# Altium PCB controller_V1.3.PcbDoc (part 4 of 6)
Units mil, origin at the board's own origin, x right, y up, seen from the top; angles counter-clockwise.
Board outline 9606 x 5905.51 mil, 2 copper layers (Top Layer, Bottom Layer); 441 components, 367 nets, 1496 pads, 5349 vias.
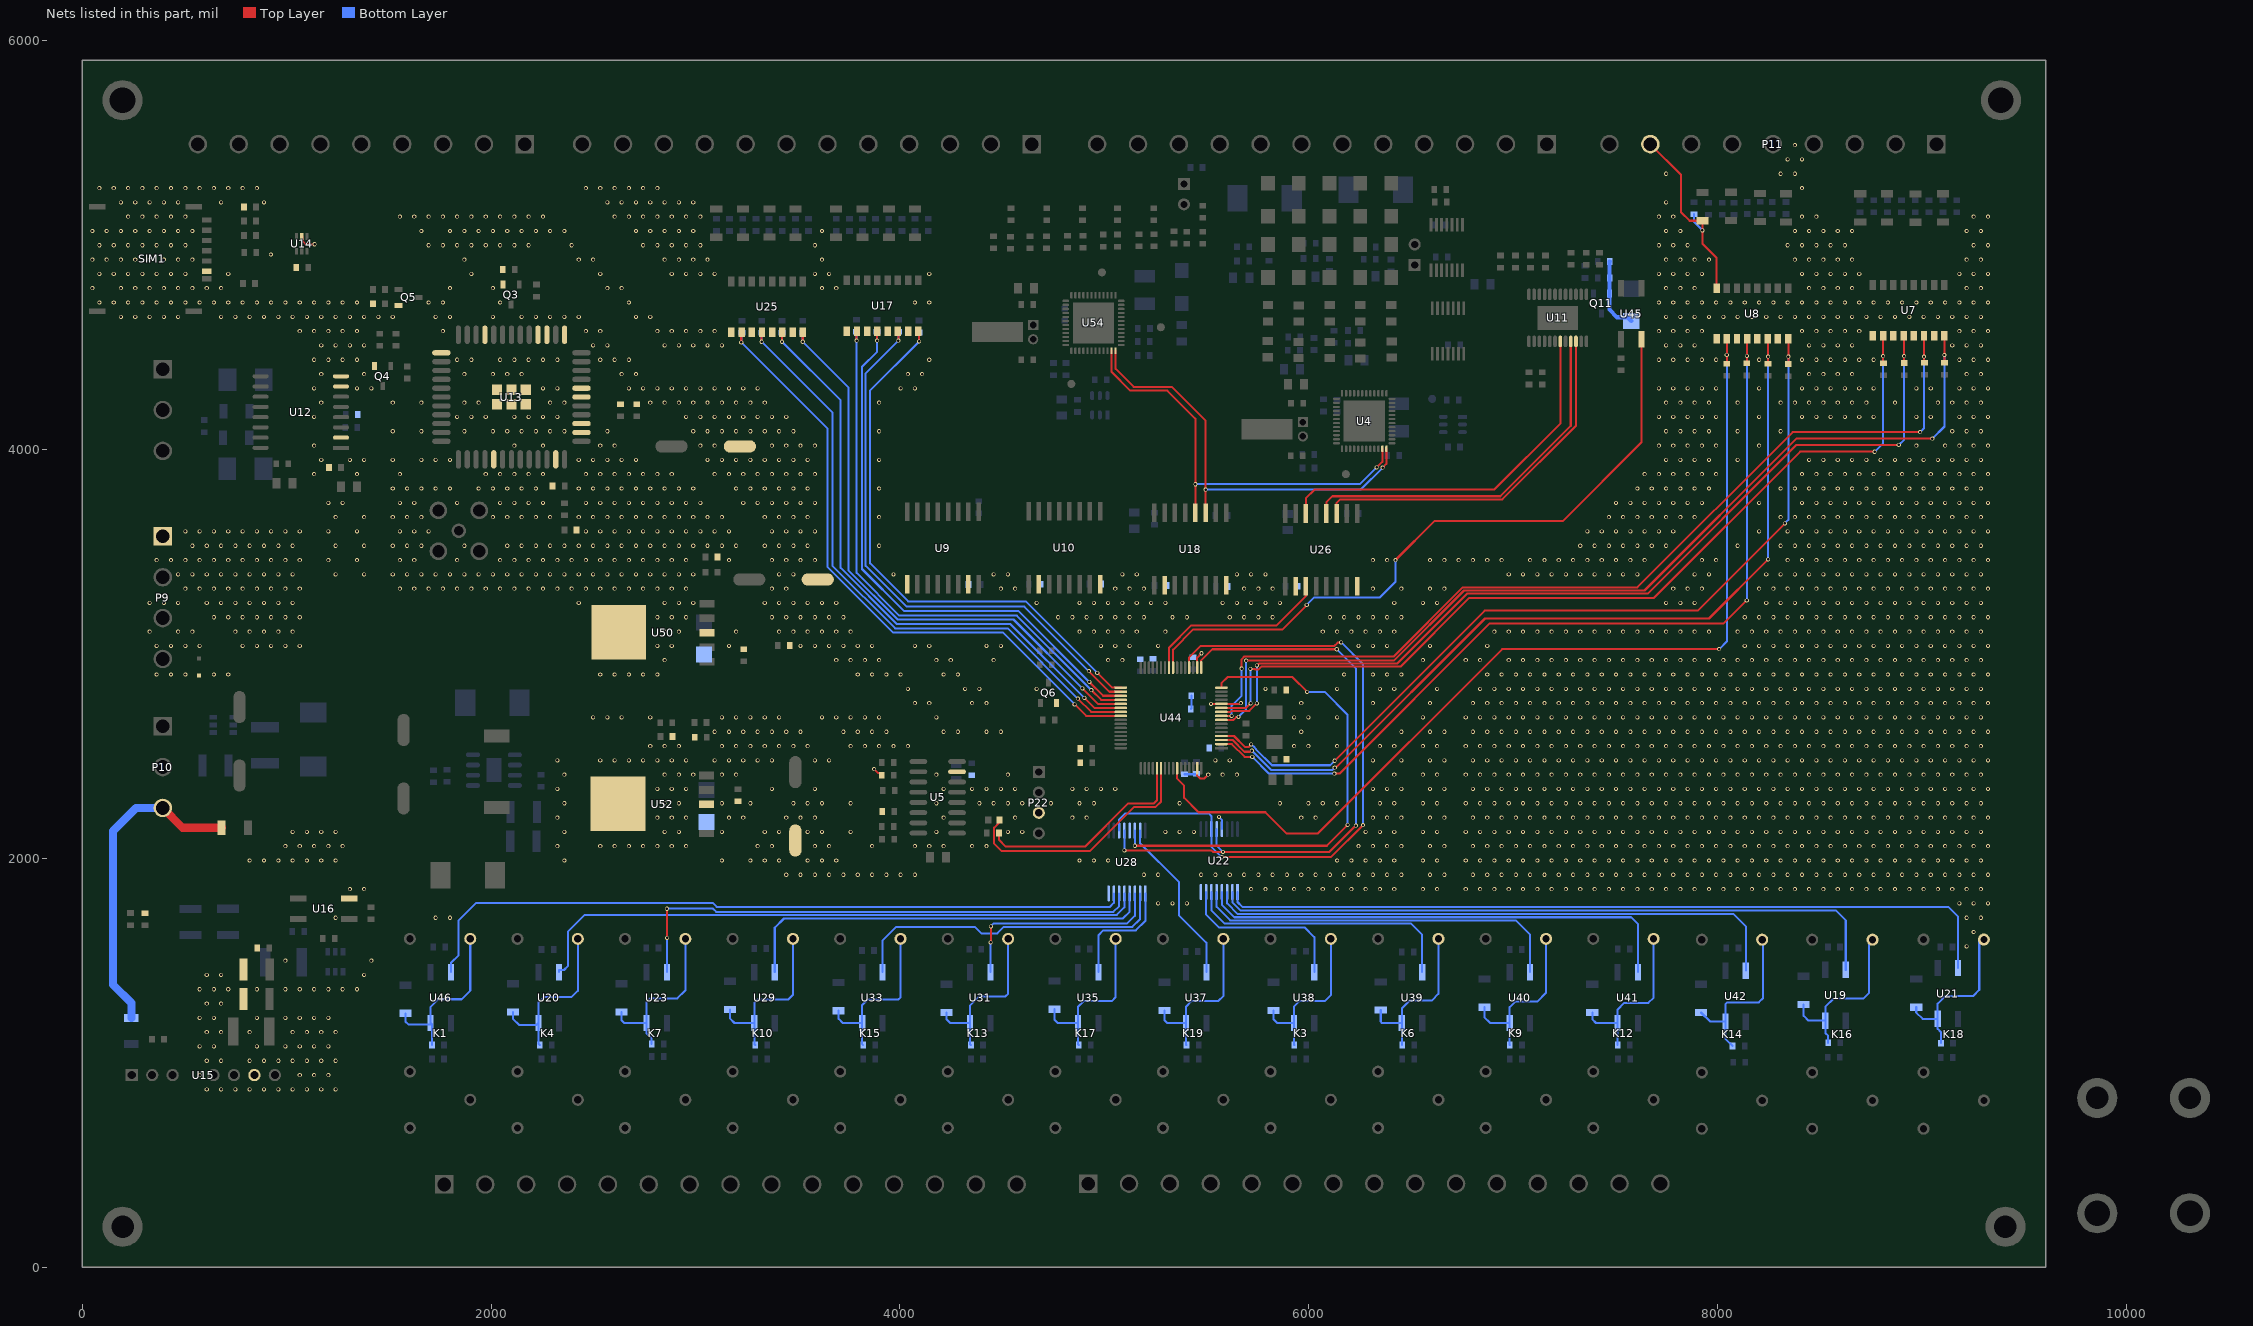
[diagram p4: the nets of this part, all layers, seen from the top]

## Via types
v1: diameter 20, hole 12, Top Layer to Bottom Layer, tented both sides, 5236 vias
v2: diameter 23.62, hole 11.81, Top Layer to Bottom Layer, 50 vias
v3: diameter 40, hole 25, Top Layer to Bottom Layer, tented both sides, 39 vias
v4: diameter 30, hole 20, Top Layer to Bottom Layer, tented both sides, 16 vias
v5: diameter 60, hole 40, Top Layer to Bottom Layer, tented both sides, 7 vias
v6: diameter 59.06, hole 39.37, Top Layer to Bottom Layer, 1 vias

## Nets (pads, with @x,y where several pads share a name; then routed paths per layer and width w, separated by ;. In a path a pad name is that pad's centre, name@x,y a point inside that pad or via, vN(x,y) a via of type N, cw(c..) or ccw(c..) an arc to the next point about the centre after c; other vN are vias at no path point) (continued)
DI_15: C26.2 D43.1 P11.8 U8.8 | length 972.4
  Top Layer w10: P11.8@7672,5494.02 7822,5344.02 7822,5161 7863.9,5119.1 D43.1@7927,5119.1 7927,5006 7996,4937 U8.8@7996,4789
  Bottom Layer w10: C26.2@7885.68,5151 7885.68,5113.18 v1(7927,5071.86)
DI_IN0: R82.2 U25.16 U44.37 | length 2904.2
  Top Layer w10: v1(3525,4527.18) U25.16@3525,4574.32 ; v1(4892.84,2831.16) 4968.46,2755.54 U44.37@5080.83,2755.54
  Bottom Layer w10: R82.2@3525,4570.73 v1(3525,4527.18) 3748,4304.17 3748,3410 3990,3168 4556,3168 v1(4892.84,2831.16)
DI_IN1: R87.2 U25.14 U44.38 | length 2970.6
  Top Layer w10: v1(3423.5,4527.18) U25.14@3423.5,4574.32 ; v1(4903,2785) 4952.15,2735.85 U44.38@5080.83,2735.85
  Bottom Layer w10: R87.2@3423.5,4570.73 v1(3423.5,4527.18) 3710,4240.68 3710,3420.28 3984.28,3146 4541,3146 4902,2785 v1(4903,2785)
DI_IN2: R93.2 U25.12 U44.39 | length 3036.5
  Top Layer w10: v1(3324.06,4527.18) U25.12@3324.06,4574.32 ; v1(4871,2781) 4935.83,2716.17 U44.39@5080.83,2716.17
  Bottom Layer w10: R93.2@3324.06,4570.73 v1(3324.06,4527.18) 3670,4181.24 3670,3432 3977,3125 4527,3125 v1(4871,2781)
DI_IN3: R97.2 U25.10 U44.40 | length 3112.7
  Top Layer w10: v1(3224,4524) U25.10@3224,4571.14 ; v1@4847.75,2752.83 v1(4854.82,2752.83) 4911.17,2696.48 U44.40@5080.83,2696.48
  Bottom Layer w10: R97.2@3227.18,4570.73 3224,4567.56 v1(3224,4524) 3645,4103 3645,3426 3966,3105 4502.65,3105 v1(4854.82,2752.83)
DI_IN4: R109.2 U17.16 U44.33 | length 2758
  Top Layer w10: U17.16@4090.5,4579.08 4094,4575.58 v1(4094,4528.44) ; v1(4966,2907) 5038.72,2834.28 U44.33@5080.83,2834.28
  Bottom Layer w10: R109.2@4094,4572 v1(4094,4528.44) 3855,4289.44 3855,3443 4041,3257 4616,3257 v1(4966,2907)
DI_IN5: R114.2 U17.14 U44.34 | length 2761.3
  Top Layer w10: v1(3993,4532.18) U17.14@3993,4579.32 ; v1(4924.62,2915.38) 5025.41,2814.59 U44.34@5080.83,2814.59
  Bottom Layer w10: R114.2@3993,4575.73 v1(3993,4532.18) 3833,4372.18 3833,3431 4033,3231 4609,3231 v1(4924.62,2915.38)
DI_IN6: R116.2 U17.12 U44.35 | length 2761.2
  Top Layer w10: v1(3888.94,4532.18) U17.12@3888.94,4579.32 ; v1(4927.54,2862.46) 4995.09,2794.91 U44.35@5080.83,2794.91
  Bottom Layer w10: R116.2@3888.94,4575.73 v1(3888.94,4532.18) 3888.94,4477.94 3815,4404 3815,3415 4021,3209 4581,3209 v1(4927.54,2862.46)
DI_IN7: R118.2 U17.10 U44.36 | length 2776.1
  Top Layer w10: v1(3788.47,4532.18) U17.10@3788.47,4579.32 ; v1(4937.48,2822.31) 4984.57,2775.22 U44.36@5080.83,2775.22
  Bottom Layer w10: R118.2@3788.47,4575.73 v1(3788.47,4532.18) 3788.47,3396.53 3998,3187 4572.79,3187 v1(4937.48,2822.31)
DI_IN8: R10.2 U7.16 U44.8 | length 4754.5
  Top Layer w10: U44.8@5572.95,2676.8 5614.92,2676.8 5615.24,2676.48 5631.8,2676.48 5645.41,2690.09 5655.09,2690.09 v1(5657,2692) ; v1(5694,2967) 5695,2968 6418.21,2968 6760.21,3310 7643.21,3310 8386.21,4053 v1(9051.72,4053) ; U7.16@9111,4557 v1(9111,4462.1) 9111,4426.06 R10.2@9112,4425.06
  Bottom Layer w10: v1(5657,2692) 5694,2729 v1(5694,2967) ; v1(9051.72,4053) 9111,4112.28 v1(9111,4462.1)
DI_IN9: R16.2 U7.14 U44.9 | length 4638.2
  Top Layer w10: U44.9@5572.95,2696.48 v1(5623.52,2696.48) ; v1(5672,2928) 5672,2973.28 5685.72,2987 6416,2987 6754,3325 7608,3325 8368,4085 v1(8991.89,4085) ; U7.14@9011,4557 v1(9011,4454.68) 9011,4427.06 R16.2@9013,4425.06
  Bottom Layer w10: v1(5623.52,2696.48) 5623.52,2746.24 5672,2794.72 v1(5672,2928) ; v1(8991.89,4085) 9011,4104.11 v1(9011,4454.68)
DI_IN10: R32.2 U7.12 U44.10 | length 4545.5
  Top Layer w10: U44.10@5572.95,2716.17 5618.33,2716.17 5623.01,2720.85 5709.85,2720.85 v1(5747,2758) ; v1(5747,2944) 5748.86,2944 5757.86,2953 6433,2953 6775,3295 7659,3295 8386,4022 v1(8887.53,4022) ; U7.12@8911,4557 8914,4554 v1(8914,4456.97) R32.2@8914,4423.06
  Bottom Layer w10: v1(5747,2758) v1(5747,2944) ; v1(8887.53,4022) 8914,4048.47 v1(8914,4456.97)
DI_IN11: R34.2 U7.10 U44.11 | length 4436.9
  Top Layer w10: U44.11@5572.95,2735.85 5693.85,2735.85 v1(5716,2758) ; v1(5715,2926) 5716,2925 5737.72,2925 5738.72,2924 5755.28,2924 5768.78,2937.5 6449.5,2937.5 6786,3274 7690,3274 8405,3989 v1(8769.03,3989) ; U7.10@8811,4557 v1(8811,4456.97) 8811,4423.06 R34.2@8812,4422.06
  Bottom Layer w10: v1(5716,2758) v1@5716,2926 ; v1(8769.03,3989) 8811,4030.97 v1(8811,4456.97)
DI_IN12: R36.2 U8.16 U44.4 | length 4264.3
  Top Layer w10: U44.4@5572.95,2598.06 5634.94,2598.06 5688,2545 5707,2545 v1(5719,2557) ; v1(6127,2477) 6861,3211 7904,3211 v1@8331.06,3638.06 ; U8.16@8346,4540.97 8347,4539.97 v1(8347,4454.67) R36.2@8347,4418
  Bottom Layer w10: v1(5719,2557) 5719.86,2557 5729.86,2547 5730.28,2547 5742,2535.28 5742,2534 5821,2455 6105,2455 v1(6127,2477) ; v1(8330.47,3638.66) 8347,3655.19 v1(8347,4454.67)
DI_IN13: R41.2 U8.14 U44.3 | length 4271.6
  Top Layer w10: U44.3@5572.95,2578.37 5628.63,2578.37 5686,2521 5713.29,2521 ; v1(6128,2443) 6130.71,2443 6135.71,2448 6138,2448 6863,3173 7959,3173 v1(8248,3462) ; U8.14@8246,4540.97 8248,4538.97 v1(8248,4454.67) R41.2@8248,4419
  Bottom Layer w10: v1(5722,2527) 5811,2438 5811,2437.86 5816.86,2432 6117,2432 v1(6128,2443) ; v1(8248,3462) v1(8248,4454.67)
DI_IN14: R43.2 U8.12 U44.2 | length 4299.3
  Top Layer w10: U44.2@5572.95,2558.69 5624.6,2558.69 5687.28,2496 v1(5724,2496) ; v1(6126,2414) 6151,2414 6886,3149 8031,3149 v1(8143.81,3261.81) v1@8144,3262 ; R43.2@8144,4421 v1(8144,4458.06) 8144,4538.97 U8.12@8146,4540.97
  Bottom Layer w10: v1(5724,2496) 5806,2414 v1(6126,2414) ; v1(8143.81,3261.81) 8144,3262 v1(8144,4458.06)
DI_IN15: R47.2 U8.10 U44.58 | length 4799.9
  Top Layer w10: U44.58@5356.42,2440.57 5356.42,2389.58 5391,2355 5391,2295 5461,2225 5788,2225 5891,2122 6046,2122 6947,3023 v1(8008.41,3023) ; R47.2@8046,4419 v1(8046,4463.15) U8.10@8046,4540.97
  Bottom Layer w10: v1(8008.41,3023) 8046,3060.59 v1(8046,4463.15)
DIN: U4.23 U18.12 U54.23 | length 2092.5
  Top Layer w10: U54.23@5035.75,4483.17 5035.75,4379.25 5127,4288 5309,4288 5445.85,4151.15 v1(5445.85,3830.02) U18.12@5445.85,3690.9 ; v1(6333,3912) 6360.75,3939.75 U4.23@6360.75,4003.17
  Bottom Layer w10: v1(5445.85,3830.02) 6251.02,3830.02 v1(6333,3912)
DIN_AO: U11.9 U26.12 | length 1818.8
  Top Layer w10: U26.12@6086.85,3686.87 6086.85,3741.85 6116,3771 6938,3771 7282.51,4115.51 U11.9@7282.51,4528.84
DM: U13.3
DO_0: C90.1 D49.1 K1.5 U46.4 | length 846.4
  Bottom Layer w10: D49.1@1580.85,1241.1 1580.85,1201.15 1594.94,1187.06 U46.4@1710.8,1187.06 ; C90.1@1710.8,1085.65 U46.4@1710.8,1187.06 ; K1.5@1898.13,1605.61 1898.13,1352.13 1856,1310 1741,1310 1703.85,1272.85 U46.4@1703.85,1194 U46.4@1710.8,1187.06
DO_1: C88.1 D20.1 K4.5 U20.4 | length 857.2
  Bottom Layer w10: D20.1@2107.85,1248.1 2107.85,1213.15 2137,1184 2221.85,1184 U20.4@2231.85,1194 ; C88.1@2238.21,1085.65 2231.85,1092.01 U20.4@2231.85,1194 ; K4.5@2424.45,1605.61 2424.46,1351.46 2393,1320 2257,1320 2231.85,1294.85 U20.4@2231.85,1194
DO_2: C91.1 D23.1 K7.5 U23.4 | length 850.3
  Bottom Layer w10: D23.1@2638.85,1248.1 2638.85,1206.15 2651,1194 U23.4@2759.85,1194 ; C91.1@2786,1091 2786,1119 2759.85,1145.15 U23.4@2759.85,1194 ; K7.5@2950.8,1605.61 2950.8,1353 2911.8,1314 2779,1314 2759.85,1294.85 U23.4@2759.85,1194
DO_3: C93.1 D24.1 K10.5 U29.4 | length 860.1
  Bottom Layer w10: D24.1@3169.85,1260.1 3169.85,1215.15 3191,1194 U29.4@3287.85,1194 ; C93.1@3293.03,1085.65 3287.85,1090.83 U29.4@3287.85,1194 ; K10.5@3477.14,1605.61 3477.14,1332.14 3454,1309 3304,1309 3287.85,1292.85 U29.4@3287.85,1194
DO_4: C95.1 D25.1 K13.5 U31.4 | length 830.4
  Bottom Layer w10: D25.1@4228.85,1245.1 4228.85,1211 4245.85,1194 U31.4@4343.85,1194 ; C95.1@4347.85,1085.65 4343.85,1089.66 U31.4@4343.85,1194 ; K13.5@4529.82,1605.61 4529.82,1336.82 4517,1324 4388,1324 4343.85,1279.85 U31.4@4343.85,1194
DO_5: C98.1 D27.1 K15.5 U33.4 | length 850.2
  Bottom Layer w10: D27.1@3700.85,1254.1 3700.85,1214.15 3721,1194 U33.4@3815.85,1194 ; C98.1@3820.44,1085.65 3815.85,1090.24 U33.4@3815.85,1194 ; K15.5@4003.48,1605.61 4003.48,1320.48 3992,1309 3843,1309 3815.85,1281.85 U33.4@3815.85,1194
DO_6: C102.1 D28.1 K17.5 U35.4 | length 850.6
  Bottom Layer w10: D28.1@4756.85,1261.1 4756.85,1210.15 4773,1194 U35.4@4871.85,1194 ; C102.1@4875.26,1085.65 4871.85,1089.07 U35.4@4871.85,1194 ; K17.5@5056.16,1605.61 5056.16,1321.16 5036,1301 4899,1301 4871.85,1273.85 U35.4@4871.85,1194
DO_7: C104.1 D29.1 K19.5 U37.4 | length 831.5
  Bottom Layer w10: D29.1@5295.85,1255.1 5295.85,1206.15 5308,1194 U37.4@5399.85,1194 ; C104.1@5402.68,1085.65 5399.85,1088.48 U37.4@5399.85,1194 ; K19.5@5582.5,1605.61 5582.5,1325.5 5559,1302 5428,1302 5399.85,1273.85 U37.4@5399.85,1194
DO_8: C106.1 D30.1 K3.5 U38.4 | length 818.5
  Bottom Layer w10: D30.1@5828.85,1255.1 5828.85,1211.15 5846,1194 U38.4@5927.85,1194 ; C106.1@5930.09,1085.65 5927.85,1087.8 U38.4@5927.85,1194 ; K3.5@6108.83,1605.61 6108.83,1329.83 6081,1302 5957,1302 5927.85,1272.85 U38.4@5927.85,1194
DO_9: C107.1 D31.1 K6.5 U39.4 | length 820.8
  Bottom Layer w10: D31.1@6352.85,1257.1 6352.85,1200.15 6359,1194 U39.4@6455.85,1194 ; C107.1@6457.5,1085.65 6455.85,1087.3 U39.4@6455.85,1194 ; K6.5@6635.17,1605.61 6635.17,1336 6604.17,1305 6496,1305 6455.85,1264.85 U39.4@6455.85,1194
DO_10: C109.1 D32.1 K9.5 U40.4 | length 841.9
  Bottom Layer w10: D32.1@6859.85,1271.1 6859.85,1222.15 6888,1194 U40.4@6983.85,1194 ; C109.1@6984.91,1085.65 6983.85,1086.71 U40.4@6983.85,1194 ; K9.5@7161.51,1605.61 7161.51,1341.51 7118,1298 7010,1298 6983.85,1271.85 U40.4@6983.85,1194
DO_11: C110.1 D33.1 K12.5 U41.4 | length 826.6
  Bottom Layer w10: D33.1@7387.85,1245.1 7387.85,1212.15 7406,1194 U41.4@7511.85,1194 ; C110.1@7512.32,1085.65 7511.85,1086.13 U41.4@7511.85,1194 ; K12.5@7687.85,1605.61 7687.85,1317.85 7662,1292 7544,1292 7511.85,1259.85 U41.4@7511.85,1194
DO_12: C111.1 D34.1 K14.5 U42.4 | length 831.9
  Bottom Layer w10: D34.1@7920,1245.35 7964.21,1201.15 U42.4@8039,1201.15 ; C111.1@8073.95,1082.15 8039,1117.09 U42.4@8039,1201.15 ; K14.5@8223.28,1595.76 8223.28,1315.28 8203,1295 8049,1295 8039,1285 U42.4@8039,1201.15
DO_13: C87.1 D19.1 K16.5 U19.4 | length 849.3
  Bottom Layer w10: D19.1@8422,1284.35 8422,1229 8445.85,1205.15 U19.4@8528,1205.15 ; C87.1@8542,1097.15 8542,1131 8528,1145 U19.4@8528,1205.15 ; K16.5@8742.28,1595.76 8742.28,1342.28 8713,1313 8568,1313 8528,1273 U19.4@8528,1205.15
DO_14: C89.1 D21.1 K18.5 U21.4 | length 823
  Bottom Layer w10: D21.1@8973,1271.25 8973,1245 9003.85,1214.15 U21.4@9078,1214.15 ; C89.1@9094,1095.15 9094,1149 9078,1165 U21.4@9078,1214.15 ; K18.5@9281.28,1603.61 9281.28,1356.28 9251,1326 9115,1326 9078,1289 U21.4@9078,1214.15
DO_CTRL_0: U28.7 U46.2 | length 3573.3
  Bottom Layer w10: U46.2@1803.85,1443 1803.85,1488.85 1841,1526 1841,1696.16 1926.84,1782 3084,1782 3104,1762 5028,1762 5047.26,1781.26 U28.7@5047.26,1827.91
DO_CTRL_1: U23.2 U28.6 | length 2603.6
  Top Layer w10: v1(2860,1753) 2861,1752 v1(2861,1610)
  Bottom Layer w10: U23.2@2859.85,1443 2861,1444.15 v1(2861,1610) ; v1(2860,1753) 3086,1753 3101,1738 5045,1738 5072.85,1765.85 U28.6@5072.85,1827.91
DO_CTRL_2: U20.2 U28.5 | length 3070.4
  Bottom Layer w10: U20.2@2331.85,1443 2331.85,1453 2357,1453 2376,1472 2376,1640 2459,1723 3196,1723 5062,1723 5098.44,1759.44 U28.5@5098.44,1827.91
DO_CTRL_3: U28.4 U29.2 | length 2074.7
  Bottom Layer w10: U29.2@3387.85,1443 3387.85,1659.85 3433,1705 5090,1705 5124.03,1739.03 U28.4@5124.03,1827.91
DO_CTRL_4: U28.3 U31.2 | length 1058.1
  Top Layer w10: v1@4445,1589 v1(4445,1667)
  Bottom Layer w10: U31.2@4443.85,1443 v1(4443.85,1587.85) ; v1(4445,1667) 4459,1681 5112,1681 5149.62,1718.62 U28.3@5149.62,1827.91
DO_CTRL_5: U28.2 U33.2 | length 1609.7
  Bottom Layer w10: U33.2@3915.85,1443 3915.85,1597.85 3982,1664 4277,1664 4367,1664 4399,1632 4477,1632 4509,1664 5137,1664 5175.21,1702.21 U28.2@5175.21,1827.91
DO_CTRL_6: U28.1 U35.2 | length 572.9
  Bottom Layer w10: U35.2@4971.85,1443 4971.85,1622.85 4996,1647 5155,1647 5200.8,1692.8 U28.1@5200.8,1827.91
DO_CTRL_7: U28.15 U37.2 | length 826.5
  Bottom Layer w10: U28.15@5175.21,2135 5175.21,2073.79 5365,1884 5365,1722 5499.85,1587.15 U37.2@5499.85,1443
DO_CTRL_8: U22.7 U38.2 | length 856.5
  Bottom Layer w10: U22.7@5498.67,1835 5498.67,1724.49 5561.16,1662 5980,1662 6027.85,1614.15 U38.2@6027.85,1443
DO_CTRL_9: U22.6 U39.2 | length 1354.1
  Bottom Layer w10: U22.6@5524.26,1835 5524.26,1744.74 5589,1680 6502,1680 6555.85,1626.15 U39.2@6555.85,1443
DO_CTRL_10: U22.5 U40.2 | length 1845.7
  Bottom Layer w10: U22.5@5549.85,1835 5549.85,1762.15 5615.84,1696.16 7012.84,1696.16 7083.85,1625.15 U40.2@7083.85,1443
DO_CTRL_11: U22.4 U41.2 | length 2372.5
  Bottom Layer w10: U22.4@5575.44,1835 5575.44,1772.56 5636.84,1711.16 7577.84,1711.16 7611.85,1677.15 U41.2@7611.85,1443
DO_CTRL_12: U22.3 U42.2 | length 2857.1
  Bottom Layer w10: U22.3@5601.03,1835 5601.03,1779.13 5654,1726.16 8079.84,1726.16 8139,1667 U42.2@8139,1450.15
DO_CTRL_13: U19.2 U22.2 | length 3330.5
  Bottom Layer w10: U22.2@5626.62,1835 5626.62,1784.38 5666,1745 8579,1745 8628,1696 U19.2@8628,1454.15
DO_CTRL_14: U21.2 U22.1 | length 3855
  Bottom Layer w10: U22.1@5652.21,1835 5652.21,1785.79 5676,1762 9129,1762 9178,1713 U21.2@9178,1463.15
DOUT: U4.24 U18.11 U54.24 | length 2094
  Top Layer w10: U54.24@5055.43,4483.17 5055.43,4394.57 5144,4306 5330,4306 5495.85,4140.15 v1(5495.85,3803.97) U18.11@5495.85,3690.9 ; v1(6362,3911) 6380.43,3929.43 U4.24@6380.43,4003.17
  Bottom Layer w10: v1(5495.85,3803.97) 6254.97,3803.97 v1(6362,3911)
DOUT_AO: U11.10 U26.11 | length 1792
  Top Layer w10: U26.11@6136.85,3686.87 6136.85,3738.51 6154.34,3756 6947.87,3756 7308.1,4116.24 U11.10@7308.1,4528.84
DP: U13.4
EARTH: C15.2 C62.2 P10.3 | length 1570.3
  Top Layer w40: P10.3@393.85,2246 490.85,2149 C15.2@682,2149
  Bottom Layer w40: C62.2@240,1218.95 240,1291 150,1381 150,2133 263,2246 P10.3@393.85,2246
GND: C9.2 C11.2 C14.2 C41.1 C45.1 C57.2 C73.2 C113.2 C114.1 C115.1 C116.2 C117.2 C118.1 C119.1 C120.1 C122.1 C123.1 C124.1 C125.1 C126.1 C127.1 C128.1 C141.1 C142.2 C143.2 C144.2 C145.2 C146.1 C147.1 C161.1 C163.1 C166.1 C168.1 C169.2 D22.1 D69.1 D71.1 E147.2 LED2.2 LED17.2 P9.1 P22.3 Q3.2 Q4.2 Q5.2 Q6.2 R22.2 R76.2 R163.1 R166.1 R181.1 R183.1 R186.1 SIM1.5 U5.15 U7.9 U7.11 U7.13 U7.15 U8.9 U8.11 U8.13 U8.15 U9.9 U9.15 U10.2 U10.8 U12.2 U12.7 U12.8 U13.1 U13.10 U13.27 U13.34 U13.36 U13.37 U13.40 U13.41 U13.89 U13.90 U13.91 U13.92 U13.93 U13.94 U13.95 U14.2 U15.7 U16.2 U17.9 U17.11 U17.13 U17.15 U18.2 U18.8 U22.8 U22.13 U25.9 U25.11 U25.13 U25.15 U26.2 U26.8 U28.8 U28.13 U44.12 U44.18 U44.63 U50.3 U50.6 U52.3 U52.6 | length 666
  Top Layer w10: U14.2@1074,5042.42 1076.87,5039.54 1076.87,5020.13 1093,5004 v1(1137,5004) ; v1(3874,2436) 3892.27,2417.73 3903.02,2417.73 3911.8,2408.95 C11.2@3911.8,2406 ; U44.63@5454.84,2440.57 5454.84,2404.25 5469.09,2390 5489.75,2390 v1(5508.75,2409) ; U44.18@5454.84,2932.7 5454.84,2981.84 v1(5476,3003) ; v1@5521.53,2756.38 v1(5522.37,2755.54) U44.12@5572.95,2755.54 5662.83,2755.54 5666.29,2759 v1(5669,2759)
  Bottom Layer w10: R22.2@5393,2410.94 5449.94,2410.94 C127.1@5452,2413 ; C120.1@5423.85,2730 5425.95,2732.1 C125.1@5425.95,2795 ; v1(5561.44,2202.04) 5575.44,2188.04 U22.13@5575.44,2142.09
  other v1: 609,869 679,869 749,869 819,869 889,869 959,869 1029,869 1099,869 1169,869 1239,869 574,939 1064,939 1134,939 1204,939 609,1009 679,1009 819,1009 889,1009 959,1009 1029,1009 1099,1009 1169,1009 1239,1009 574,1079 644,1079 854,1079 994,1079 1064,1079 1134,1079 1204,1079 609,1149 679,1149 819,1149 1029,1149 1099,1149 1169,1149 1239,1149 574,1219 644,1219 854,1219 994,1219 1064,1219 1134,1219 1204,1219 609,1289 679,1289 574,1359 644,1359 714,1359 854,1359 994,1359 1064,1359 1134,1359 1204,1359 1274,1359 1344,1359 609,1429 679,1429 1379,1429 994,1499 1414,1499 9219,1569 9254,1639 1239,1709 1729,1709 1799,1709 9219,1709 9289,1709 5264,1779 5334,1779 5404,1779 9184,1779 9254,1779 9324,1779 1309,1849 1379,1849 5719,1849 5789,1849 5859,1849 5929,1849 5999,1849 6069,1849 6139,1849 6209,1849 6279,1849 6349,1849 6419,1849 6559,1849 6629,1849 6769,1849 6839,1849 6909,1849 6979,1849 7049,1849 7119,1849 7189,1849 7259,1849 7329,1849 7399,1849 7469,1849 7539,1849 7609,1849 7679,1849 7749,1849 7819,1849 7889,1849 7959,1849 8029,1849 8099,1849 8169,1849 8239,1849 8309,1849 8379,1849 8449,1849 8519,1849 8589,1849 8659,1849 8729,1849 8799,1849 8869,1849 8939,1849 9009,1849 9079,1849 9149,1849 9219,1849 9289,1849 3444,1919 3514,1919 3584,1919 3654,1919 3724,1919 3794,1919 3864,1919 3934,1919 4004,1919 4074,1919 5194,1919 5264,1919 5474,1919 5544,1919 5614,1919 5684,1919 5754,1919 5824,1919 5894,1919 5964,1919 6034,1919 6104,1919 6174,1919 6244,1919 6314,1919 6384,1919 6454,1919 6594,1919 6664,1919 6804,1919 6874,1919 6944,1919 7014,1919 7084,1919 7154,1919 7224,1919 7294,1919 7364,1919 7434,1919 7504,1919 7574,1919 7644,1919 7714,1919 7784,1919 7854,1919 7924,1919 7994,1919 8064,1919 8134,1919 8204,1919 8274,1919 8344,1919 8414,1919 8484,1919 8554,1919 8624,1919 8694,1919 8764,1919 8834,1919 8904,1919 8974,1919 9044,1919 9114,1919 9184,1919 9254,1919 9324,1919 819,1989 889,1989 959,1989 1029,1989 1099,1989 1169,1989 1239,1989 2359,1989 3129,1989 3269,1989 3339,1989 3409,1989 3549,1989 3619,1989 3689,1989 4879,1989 4949,1989 5019,1989 6139,1989 6209,1989 6279,1989 6349,1989 6419,1989 6559,1989 6629,1989 6769,1989 6839,1989 6909,1989 6979,1989 7049,1989 7119,1989 7189,1989 7259,1989 7329,1989 7399,1989 7469,1989 7539,1989 7609,1989 7679,1989 7749,1989 7819,1989 7889,1989 7959,1989 8029,1989 8099,1989 8169,1989 8239,1989 8309,1989 8379,1989 8449,1989 8519,1989 8589,1989 8659,1989 8729,1989 8799,1989 8869,1989 8939,1989 9009,1989 9079,1989 9149,1989 9219,1989 9289,1989 994,2059 1064,2059 1134,2059 1204,2059 1274,2059 2324,2059 2534,2059 2604,2059 2674,2059 2744,2059 2814,2059 2884,2059 2954,2059 3304,2059 3374,2059 3584,2059 3654,2059 3864,2059 4074,2059 4144,2059 4214,2059 4354,2059 4424,2059 6244,2059 6314,2059 6384,2059 6454,2059 6594,2059 6664,2059 6804,2059 6874,2059 6944,2059 7014,2059 7084,2059 7154,2059 7224,2059 7294,2059 7364,2059 7434,2059 7504,2059 7574,2059 7644,2059 7714,2059 7784,2059 7854,2059 7924,2059 7994,2059 8064,2059 8134,2059 8204,2059 8274,2059 8344,2059 8414,2059 8484,2059 8554,2059 8624,2059 8694,2059 8764,2059 8834,2059 8904,2059 8974,2059 9044,2059 9114,2059 9184,2059 9254,2059 9324,2059 1029,2129 1099,2129 1169,2129 1239,2129 2359,2129 2849,2129 2919,2129 3129,2129 3339,2129 3409,2129 3549,2129 3619,2129 3759,2129 4179,2129 4529,2129 4599,2129 5299,2129 5369,2129 5439,2129 6279,2129 6349,2129 6419,2129 6559,2129 6629,2129 6769,2129 6839,2129 6909,2129 6979,2129 7049,2129 7119,2129 7189,2129 7259,2129 7329,2129 7399,2129 7469,2129 7539,2129 7609,2129 7679,2129 7749,2129 7819,2129 7889,2129 7959,2129 8029,2129 8099,2129 8169,2129 8239,2129 8309,2129 8379,2129 8449,2129 8519,2129 8589,2129 8659,2129 8729,2129 8799,2129 8869,2129 8939,2129 9009,2129 9079,2129 9149,2129 9219,2129 9289,2129 2324,2199 2814,2199 2884,2199 2954,2199 3164,2199 3234,2199 3444,2199 3514,2199 3584,2199 4214,2199 4564,2199 4844,2199 4914,2199 5964,2199 6034,2199 6314,2199 6384,2199 6454,2199 6594,2199 6664,2199 6804,2199 6874,2199 6944,2199 7014,2199 7084,2199 7154,2199 7224,2199 7294,2199 7364,2199 7434,2199 7504,2199 7574,2199 7644,2199 7714,2199 7784,2199 7854,2199 7924,2199 7994,2199 8064,2199 8134,2199 8204,2199 8274,2199 8344,2199 8414,2199 8484,2199 8554,2199 8624,2199 8694,2199 8764,2199 8834,2199 8904,2199 8974,2199 9044,2199 9114,2199 9184,2199 9254,2199 9324,2199 2359,2269 2849,2269 2919,2269 3129,2269 3269,2269 3479,2269 3549,2269 3619,2269 3759,2269 4179,2269 4389,2269 4459,2269 4529,2269 4599,2269 4739,2269 4879,2269 4949,2269 5369,2269 5859,2269 5999,2269 6069,2269 6139,2269 6349,2269 6419,2269 6559,2269 6629,2269 6769,2269 6839,2269 6909,2269 6979,2269 7049,2269 7119,2269 7189,2269 7259,2269 7329,2269 7399,2269 7469,2269 7539,2269 7609,2269 7679,2269 7749,2269 7819,2269 7889,2269 7959,2269 8029,2269 8099,2269 8169,2269 8239,2269 8309,2269 8379,2269 8449,2269 8519,2269 8589,2269 8659,2269 8729,2269 8799,2269 8869,2269 8939,2269 9009,2269 9079,2269 9149,2269 9219,2269 9289,2269 2324,2339 2814,2339 2884,2339 2954,2339 3374,2339 3584,2339 4214,2339 4354,2339 4424,2339 4494,2339 4564,2339 4844,2339 4914,2339 4984,2339 5054,2339 6314,2339 6384,2339 6454,2339 6594,2339 6664,2339 6804,2339 6874,2339 6944,2339 7014,2339 7084,2339 7154,2339 7224,2339 7294,2339 7364,2339 7434,2339 7504,2339 7574,2339 7644,2339 7714,2339 7784,2339 7854,2339 7924,2339 7994,2339 8064,2339 8134,2339 8204,2339 8274,2339 8344,2339 8414,2339 8484,2339 8554,2339 8624,2339 8694,2339 8764,2339 8834,2339 8904,2339 8974,2339 9044,2339 9114,2339 9184,2339 9254,2339 9324,2339 2359,2409 2849,2409 2919,2409 2989,2409 3129,2409 3199,2409 4179,2409 4529,2409 5579,2409 5649,2409 6419,2409 6559,2409 6629,2409 6769,2409 6839,2409 6909,2409 6979,2409 7049,2409 7119,2409 7189,2409 7259,2409 7329,2409 7399,2409 7469,2409 7539,2409 7609,2409 7679,2409 7749,2409 7819,2409 7889,2409 7959,2409 8029,2409 8099,2409 8169,2409 8239,2409 8309,2409 8379,2409 8449,2409 8519,2409 8589,2409 8659,2409 8729,2409 8799,2409 8869,2409 8939,2409 9009,2409 9079,2409 9149,2409 9219,2409 9289,2409 2324,2479 2534,2479 2604,2479 2674,2479 2744,2479 2814,2479 2884,2479 2954,2479 3094,2479 3164,2479 3234,2479 3304,2479 3374,2479 3584,2479 3654,2479 5544,2479 5614,2479 6314,2479 6454,2479 6594,2479 6664,2479 6804,2479 6874,2479 6944,2479 7014,2479 7084,2479 7154,2479 7224,2479 7294,2479 7364,2479 7434,2479 7504,2479 7574,2479 7644,2479 7714,2479 7784,2479 7854,2479 7924,2479 7994,2479 8064,2479 8134,2479 8204,2479 8274,2479 8344,2479 8414,2479 8484,2479 8554,2479 8624,2479 8694,2479 8764,2479 8834,2479 8904,2479 8974,2479 9044,2479 9114,2479 9184,2479 9254,2479 9324,2479 2779,2549 2849,2549 2919,2549 3129,2549 3199,2549 3269,2549 3339,2549 3409,2549 3479,2549 3549,2549 3759,2549 3829,2549 3899,2549 3969,2549 4039,2549 5929,2549 5999,2549 6139,2549 6349,2549 6419,2549 6559,2549 6629,2549 6769,2549 6839,2549 6909,2549 6979,2549 7049,2549 7119,2549 7189,2549 7259,2549 7329,2549 7399,2549 7469,2549 7539,2549 7609,2549 7679,2549 7749,2549 7819,2549 7889,2549 7959,2549 8029,2549 8099,2549 8169,2549 8239,2549 8309,2549 8379,2549 8449,2549 8519,2549 8589,2549 8659,2549 8729,2549 8799,2549 8869,2549 8939,2549 9009,2549 9079,2549 9149,2549 9219,2549 9289,2549 3094,2619 3164,2619 3234,2619 3304,2619 3374,2619 3444,2619 3514,2619 3724,2619 3794,2619 3864,2619 3934,2619 4214,2619 4284,2619 4424,2619 4494,2619 5964,2619 6454,2619 6594,2619 6664,2619 6804,2619 6874,2619 6944,2619 7014,2619 7084,2619 7154,2619 7224,2619 7294,2619 7364,2619 7434,2619 7504,2619 7574,2619 7644,2619 7714,2619 7784,2619 7854,2619 7924,2619 7994,2619 8064,2619 8134,2619 8204,2619 8274,2619 8344,2619 8414,2619 8484,2619 8554,2619 8624,2619 8694,2619 8764,2619 8834,2619 8904,2619 8974,2619 9044,2619 9114,2619 9184,2619 9254,2619 9324,2619 2499,2689 2569,2689 2639,2689 2779,2689 3129,2689 3199,2689 3269,2689 3339,2689 3409,2689 3619,2689 3689,2689 3759,2689 3829,2689 3899,2689 4179,2689 5929,2689 5999,2689 6139,2689 6559,2689 6769,2689 6839,2689 6909,2689 6979,2689 7049,2689 7119,2689 7189,2689 7259,2689 7329,2689 7399,2689 7469,2689 7539,2689 7609,2689 7679,2689 7749,2689 7819,2689 7889,2689 7959,2689 8029,2689 8099,2689 8169,2689 8239,2689 8309,2689 8379,2689 8449,2689 8519,2689 8589,2689 8659,2689 8729,2689 8799,2689 8869,2689 8939,2689 9009,2689 9079,2689 9149,2689 9219,2689 9289,2689 4074,2759 4144,2759 4354,2759 4424,2759 5964,2759 6314,2759 6594,2759 6804,2759 6874,2759 6944,2759 7014,2759 7084,2759 7154,2759 7224,2759 7294,2759 7364,2759 7434,2759 7504,2759 7574,2759 7644,2759 7714,2759 7784,2759 7854,2759 7924,2759 7994,2759 8064,2759 8134,2759 8204,2759 8274,2759 8344,2759 8414,2759 8484,2759 8554,2759 8624,2759 8694,2759 8764,2759 8834,2759 8904,2759 8974,2759 9044,2759 9114,2759 9184,2759 9254,2759 9324,2759 4039,2829 4319,2829 4389,2829 4669,2829 5789,2829 6139,2829 6349,2829 6419,2829 6629,2829 6839,2829 6909,2829 6979,2829 7049,2829 7119,2829 7189,2829 7259,2829 7329,2829 7399,2829 7469,2829 7539,2829 7609,2829 7679,2829 7749,2829 7819,2829 7889,2829 7959,2829 8029,2829 8099,2829 8169,2829 8239,2829 8309,2829 8379,2829 8449,2829 8519,2829 8589,2829 8659,2829 8729,2829 8799,2829 8869,2829 8939,2829 9009,2829 9079,2829 9149,2829 9219,2829 9289,2829 364,2899 434,2899 504,2899 644,2899 714,2899 2534,2899 2604,2899 2674,2899 2744,2899 2814,2899 3794,2899 3864,2899 3934,2899 4004,2899 4214,2899 4284,2899 6174,2899 6314,2899 6384,2899 6454,2899 6874,2899 6944,2899 7014,2899 7084,2899 7154,2899 7224,2899 7294,2899 7364,2899 7434,2899 7504,2899 7574,2899 7644,2899 7714,2899 7784,2899 7854,2899 7924,2899 7994,2899 8064,2899 8134,2899 8204,2899 8274,2899 8344,2899 8414,2899 8484,2899 8554,2899 8624,2899 8694,2899 8764,2899 8834,2899 8904,2899 8974,2899 9044,2899 9114,2899 9184,2899 9254,2899 9324,2899 2849,2969 3689,2969 3759,2969 3829,2969 3899,2969 4179,2969 4249,2969 4459,2969 5019,2969 5089,2969 6559,2969 6769,2969 6839,2969 6979,2969 7049,2969 7119,2969 7189,2969 7259,2969 7329,2969 7399,2969 7469,2969 7539,2969 7609,2969 7679,2969 7749,2969 7819,2969 7889,2969 7959,2969 8029,2969 8099,2969 8169,2969 8239,2969 8309,2969 8379,2969 8449,2969 8519,2969 8589,2969 8659,2969 8729,2969 8799,2969 8869,2969 8939,2969 9009,2969 9079,2969 9149,2969 9219,2969 9289,2969 364,3039 434,3039 504,3039 574,3039 784,3039 854,3039 924,3039 994,3039 1064,3039 2814,3039 2884,3039 3164,3039 3514,3039 3584,3039 3654,3039 3724,3039 3794,3039 3864,3039 4074,3039 4144,3039 4424,3039 4494,3039 4984,3039 5054,3039 5124,3039 5264,3039 6244,3039 6314,3039 6384,3039 6594,3039 6874,3039 8134,3039 8204,3039 8274,3039 8344,3039 8414,3039 8484,3039 8554,3039 8624,3039 8694,3039 8764,3039 8834,3039 8904,3039 8974,3039 9044,3039 9114,3039 9184,3039 9254,3039 9324,3039 329,3109 469,3109 539,3109 749,3109 819,3109 889,3109 959,3109 1029,3109 2849,3109 2919,3109 3199,3109 3409,3109 3479,3109 3549,3109 3619,3109 3689,3109 3759,3109 4879,3109 4949,3109 5019,3109 5089,3109 5159,3109 5299,3109 6069,3109 6139,3109 6209,3109 6279,3109 6349,3109 6419,3109 6909,3109 6979,3109 7049,3109 7119,3109 7189,3109 7259,3109 7329,3109 7399,3109 7469,3109 7539,3109 7609,3109 7679,3109 7749,3109 7819,3109 7889,3109 7959,3109 8099,3109 8169,3109 8239,3109 8309,3109 8379,3109 8449,3109 8519,3109 8589,3109 8659,3109 8729,3109 8799,3109 8869,3109 8939,3109 9009,3109 9079,3109 9149,3109 9219,3109 9289,3109 644,3179 714,3179 784,3179 854,3179 924,3179 994,3179 1064,3179 2814,3179 2884,3179 2954,3179 3374,3179 3444,3179 3514,3179 3584,3179 3654,3179 3724,3179 4774,3179 4844,3179 4914,3179 4984,3179 5054,3179 5124,3179 5194,3179 5334,3179 5404,3179 5614,3179 5684,3179 5754,3179 5824,3179 6104,3179 6174,3179 6244,3179 6314,3179 6384,3179 6454,3179 8134,3179 8204,3179 8274,3179 8344,3179 8414,3179 8484,3179 8554,3179 8624,3179 8694,3179 8764,3179 8834,3179 8904,3179 8974,3179 9044,3179 9114,3179 9184,3179 9254,3179 9324,3179 329,3249 399,3249 469,3249 609,3249 679,3249 749,3249 819,3249 889,3249 959,3249 1029,3249 2429,3249 2849,3249 2919,3249 2989,3249 3339,3249 3409,3249 3479,3249 3549,3249 3619,3249 3689,3249 4669,3249 4879,3249 4949,3249 5019,3249 5089,3249 5159,3249 5229,3249 5299,3249 5579,3249 5649,3249 5719,3249 5789,3249 5859,3249 6419,3249 6559,3249 6629,3249 7749,3249 7819,3249 7889,3249 8239,3249 8309,3249 8379,3249 8449,3249 8519,3249 8589,3249 8659,3249 8729,3249 8799,3249 8869,3249 8939,3249 9009,3249 9079,3249 9149,3249 9219,3249 9289,3249 504,3319 574,3319 644,3319 714,3319 784,3319 854,3319 924,3319 994,3319 1064,3319 1554,3319 1624,3319 1694,3319 1764,3319 1834,3319 1904,3319 1974,3319 2044,3319 2114,3319 2184,3319 2254,3319 2324,3319 2394,3319 2464,3319 2534,3319 2604,3319 2674,3319 2744,3319 2814,3319 2884,3319 2954,3319 3374,3319 3444,3319 4494,3319 4564,3319 5054,3319 5124,3319 5194,3319 5684,3319 5754,3319 5824,3319 6314,3319 6454,3319 6594,3319 6664,3319 7784,3319 7854,3319 7924,3319 8204,3319 8274,3319 8344,3319 8414,3319 8484,3319 8554,3319 8624,3319 8694,3319 8764,3319 8834,3319 8904,3319 8974,3319 9044,3319 9114,3319 9184,3319 9254,3319 9324,3319 469,3389 539,3389 609,3389 679,3389 749,3389 819,3389 889,3389 959,3389 1029,3389 1239,3389 1379,3389 1519,3389 1589,3389 1659,3389 1729,3389 1799,3389 1869,3389 1939,3389 2009,3389 2079,3389 2149,3389 2219,3389 2289,3389 2359,3389 2429,3389 2499,3389 2569,3389 2639,3389 2709,3389 2779,3389 2849,3389 2919,3389 2989,3389 3409,3389 3479,3389 3969,3389 4459,3389 4529,3389 5089,3389 5159,3389 5649,3389 5719,3389 5789,3389 6979,3389 7049,3389 7119,3389 7189,3389 7259,3389 7329,3389 7399,3389 7469,3389 7539,3389 7609,3389 7889,3389 7959,3389 8239,3389 8309,3389 8379,3389 8449,3389 8519,3389 8589,3389 8659,3389 8729,3389 8799,3389 8869,3389 8939,3389 9009,3389 9079,3389 9149,3389 9219,3389 9289,3389 364,3459 434,3459 504,3459 574,3459 644,3459 714,3459 784,3459 854,3459 924,3459 994,3459 1064,3459 1204,3459 1344,3459 1554,3459 1624,3459 1834,3459 2044,3459 2114,3459 2184,3459 2254,3459 2324,3459 2394,3459 2464,3459 2534,3459 2604,3459 2674,3459 2744,3459 2814,3459 2884,3459 2954,3459 3164,3459 3374,3459 3444,3459 3514,3459 3584,3459 6314,3459 6384,3459 6594,3459 6664,3459 6734,3459 6804,3459 6874,3459 6944,3459 7084,3459 7154,3459 7224,3459 7294,3459 7364,3459 7434,3459 7504,3459 7574,3459 7644,3459 7924,3459 7994,3459 8344,3459 8414,3459 8484,3459 8554,3459 8624,3459 8694,3459 8764,3459 8834,3459 8904,3459 8974,3459 9044,3459 9114,3459 9184,3459 9254,3459 9324,3459 539,3529 609,3529 679,3529 749,3529 819,3529 889,3529 959,3529 1029,3529 1239,3529 1379,3529 1519,3529 1589,3529 1659,3529 1869,3529 2079,3529 2149,3529 2219,3529 2289,3529 2359,3529 2429,3529 2499,3529 2569,3529 2639,3529 2709,3529 2779,3529 2849,3529 2919,3529 2989,3529 3059,3529 3129,3529 3199,3529 3339,3529 3409,3529 3479,3529 3549,3529 3899,3529 7329,3529 7399,3529 7469,3529 7539,3529 7609,3529 7679,3529 7749,3529 8099,3529 8309,3529 8379,3529 8449,3529 8519,3529 8589,3529 8659,3529 8729,3529 8799,3529 8869,3529 8939,3529 9009,3529 9079,3529 9149,3529 9219,3529 9289,3529 504,3599 574,3599 644,3599 714,3599 784,3599 854,3599 924,3599 994,3599 1064,3599 1204,3599 1344,3599 1554,3599 1624,3599 1694,3599 2464,3599 2534,3599 2604,3599 2674,3599 2744,3599 2814,3599 2884,3599 2954,3599 3024,3599 3094,3599 3164,3599 3374,3599 3444,3599 3514,3599 3584,3599 7364,3599 7434,3599 7504,3599 7574,3599 7644,3599 7714,3599 7784,3599 8204,3599 8344,3599 8414,3599 8484,3599 8554,3599 8624,3599 8694,3599 8764,3599 8834,3599 8904,3599 8974,3599 9044,3599 9114,3599 9184,3599 9254,3599 9324,3599 1239,3669 1379,3669 1519,3669 1589,3669 1659,3669 2009,3669 2079,3669 2149,3669 2219,3669 2289,3669 2429,3669 2499,3669 2569,3669 2639,3669 2709,3669 2779,3669 2849,3669 2919,3669 2989,3669 3059,3669 3129,3669 3339,3669 3409,3669 3479,3669 3549,3669 3899,3669 7469,3669 7539,3669 7609,3669 7679,3669 7749,3669 7819,3669 7889,3669 8309,3669 8379,3669 8449,3669 8519,3669 8589,3669 8659,3669 8729,3669 8799,3669 8869,3669 8939,3669 9009,3669 9079,3669 9149,3669 9219,3669 9289,3669 1204,3739 1274,3739 1554,3739 1624,3739 1834,3739 2044,3739 2114,3739 2184,3739 2254,3739 2464,3739 2534,3739 2604,3739 2674,3739 2744,3739 2814,3739 2884,3739 2954,3739 3024,3739 3234,3739 3304,3739 3374,3739 3444,3739 3514,3739 3584,3739 7504,3739 7574,3739 7644,3739 7714,3739 7784,3739 7854,3739 7924,3739 8204,3739 8414,3739 8484,3739 8554,3739 8624,3739 8694,3739 8764,3739 8834,3739 8904,3739 8974,3739 9044,3739 9114,3739 9184,3739 9254,3739 9324,3739 1519,3809 1589,3809 1659,3809 1729,3809 1799,3809 1939,3809 2009,3809 2079,3809 2149,3809 2219,3809 2429,3809 2499,3809 2569,3809 2639,3809 2709,3809 2779,3809 2849,3809 2919,3809 2989,3809 3199,3809 3269,3809 3339,3809 3409,3809 3479,3809 3549,3809 3899,3809 7609,3809 7679,3809 7749,3809 7819,3809 7889,3809 7959,3809 8309,3809 8379,3809 8449,3809 8519,3809 8589,3809 8659,3809 8729,3809 8799,3809 8869,3809 8939,3809 9009,3809 9079,3809 9149,3809 9219,3809 9289,3809 1134,3879 1344,3879 1554,3879 1974,3879 2044,3879 2114,3879 2184,3879 2254,3879 2464,3879 2534,3879 2604,3879 2674,3879 2744,3879 2814,3879 2884,3879 3094,3879 3164,3879 3234,3879 3304,3879 3374,3879 3444,3879 3514,3879 3584,3879 7644,3879 7714,3879 7784,3879 7854,3879 7924,3879 7994,3879 8414,3879 8484,3879 8554,3879 8624,3879 8694,3879 8764,3879 8834,3879 8904,3879 8974,3879 9044,3879 9114,3879 9184,3879 9254,3879 9324,3879 1169,3949 1309,3949 1379,3949 1519,3949 1659,3949 1729,3949 1799,3949 2429,3949 2499,3949 2569,3949 2639,3949 2709,3949 3059,3949 3129,3949 3199,3949 3269,3949 3339,3949 3409,3949 3479,3949 3549,3949 3899,3949 7749,3949 7819,3949 7889,3949 7959,3949 8099,3949 8449,3949 8519,3949 8589,3949 8659,3949 8729,3949 8799,3949 8869,3949 8939,3949 9009,3949 9079,3949 9149,3949 9219,3949 9289,3949 1134,4019 2114,4019 2254,4019 2534,4019 2604,4019 3024,4019 3094,4019 3374,4019 3444,4019 3514,4019 3584,4019 7714,4019 7784,4019 7854,4019 7924,4019 7994,4019 8204,4019 8974,4019 9114,4019 9184,4019 9254,4019 9324,4019 1519,4089 1659,4089 1869,4089 2009,4089 2079,4089 2149,4089 2219,4089 2289,4089 2359,4089 2569,4089 2989,4089 3059,4089 3129,4089 3199,4089 3269,4089 3339,4089 3409,4089 3479,4089 3899,4089 7749,4089 7819,4089 7889,4089 7959,4089 8099,4089 8309,4089 9149,4089 9219,4089 9289,4089 1134,4159 1834,4159 1904,4159 1974,4159 2114,4159 2184,4159 2254,4159 2324,4159 2954,4159 3024,4159 3094,4159 3164,4159 3234,4159 3304,4159 3374,4159 3444,4159 7714,4159 7784,4159 7854,4159 7924,4159 7994,4159 8204,4159 8414,4159 8484,4159 8554,4159 8624,4159 8694,4159 8764,4159 8974,4159 9044,4159 9184,4159 9254,4159 9324,4159 1169,4229 1519,4229 1659,4229 1869,4229 1939,4229 2289,4229 2359,4229 2779,4229 2849,4229 2919,4229 2989,4229 3059,4229 3129,4229 3199,4229 3269,4229 3339,4229 3899,4229 7749,4229 7819,4229 7889,4229 7959,4229 8099,4229 8309,4229 8379,4229 8449,4229 8519,4229 8589,4229 8659,4229 8729,4229 8869,4229 9079,4229 9149,4229 9219,4229 9289,4229 1134,4299 1344,4299 1414,4299 2254,4299 2324,4299 2674,4299 2744,4299 2814,4299 2884,4299 2954,4299 3024,4299 3094,4299 3164,4299 3234,4299 3304,4299 4004,4299 4074,4299 7714,4299 7784,4299 7854,4299 7924,4299 7994,4299 8204,4299 8414,4299 8484,4299 8554,4299 8624,4299 8694,4299 8764,4299 8974,4299 9044,4299 9184,4299 9254,4299 9324,4299 1169,4369 1379,4369 1869,4369 2009,4369 2079,4369 2149,4369 2639,4369 2709,4369 4039,4369 4109,4369 8449,4369 8519,4369 8589,4369 8659,4369 9219,4369 9289,4369 1134,4439 1204,4439 1274,4439 1344,4439 1834,4439 1904,4439 2044,4439 2114,4439 2184,4439 2254,4439 2324,4439 2534,4439 2604,4439 2674,4439 4144,4439 7714,4439 7784,4439 7854,4439 7924,4439 7994,4439 8204,4439 8414,4439 8484,4439 8554,4439 8624,4439 8694,4439 8764,4439 9184,4439 9254,4439 9324,4439 1169,4509 1239,4509 1309,4509 1379,4509 2499,4509 2569,4509 2849,4509 2919,4509 2989,4509 3059,4509 3129,4509 7749,4509 7819,4509 7889,4509 8449,4509 8519,4509 8589,4509 8659,4509 9149,4509 9219,4509 9289,4509 1064,4579 1134,4579 1204,4579 1274,4579 1344,4579 1764,4579 2464,4579 2534,4579 2814,4579 2884,4579 2954,4579 3024,4579 3094,4579 7714,4579 7784,4579 7854,4579 7924,4579 8414,4579 8484,4579 8554,4579 8624,4579 8694,4579 9184,4579 9254,4579 9324,4579 189,4649 259,4649 329,4649 399,4649 469,4649 679,4649 749,4649 819,4649 889,4649 959,4649 1029,4649 1099,4649 1169,4649 1239,4649 1309,4649 1379,4649 1449,4649 1519,4649 1729,4649 1799,4649 2009,4649 2149,4649 2219,4649 2289,4649 2359,4649 2429,4649 2709,4649 2779,4649 7749,4649 7819,4649 7889,4649 7959,4649 8029,4649 8099,4649 8169,4649 8239,4649 8309,4649 8379,4649 8449,4649 8519,4649 8589,4649 8659,4649 8729,4649 8799,4649 8869,4649 8939,4649 9009,4649 9079,4649 9149,4649 9219,4649 9289,4649 84,4719 154,4719 224,4719 294,4719 364,4719 434,4719 504,4719 574,4719 644,4719 714,4719 784,4719 854,4719 924,4719 994,4719 1064,4719 1134,4719 1204,4719 1274,4719 1344,4719 1694,4719 1764,4719 2044,4719 2674,4719 4074,4719 4144,4719 7714,4719 7784,4719 7854,4719 7924,4719 7994,4719 8064,4719 8134,4719 8204,4719 8274,4719 8344,4719 8414,4719 8484,4719 8554,4719 8624,4719 8694,4719 8764,4719 8834,4719 8904,4719 8974,4719 9044,4719 9114,4719 9184,4719 9254,4719 9324,4719 49,4789 189,4789 259,4789 329,4789 399,4789 469,4789 539,4789 609,4789 679,4789 1799,4789 2009,4789 2569,4789 2639,4789 3619,4789 3689,4789 7749,4789 7819,4789 7889,4789 8449,4789 8519,4789 8589,4789 8659,4789 9219,4789 9289,4789 84,4859 154,4859 224,4859 294,4859 364,4859 434,4859 504,4859 714,4859 1904,4859 2534,4859 2884,4859 2954,4859 3024,4859 3094,4859 3584,4859 3654,4859 4144,4859 7714,4859 7784,4859 7854,4859 7924,4859 8414,4859 8484,4859 8554,4859 8624,4859 8694,4859 9184,4859 9254,4859 9324,4859 49,4929 119,4929 189,4929 259,4929 329,4929 399,4929 469,4929 539,4929 1869,4929 2429,4929 2499,4929 2849,4929 2919,4929 2989,4929 3059,4929 3619,4929 7749,4929 7819,4929 7889,4929 7959,4929 8379,4929 8449,4929 8519,4929 8589,4929 8659,4929 9219,4929 9289,4929 923,4954 84,4999 154,4999 224,4999 294,4999 364,4999 434,4999 504,4999 1694,4999 1764,4999 1834,4999 1904,4999 1974,4999 2044,4999 2114,4999 2184,4999 2394,4999 2744,4999 2814,4999 2884,4999 2954,4999 3024,4999 3584,4999 7714,4999 7784,4999 7854,4999 8344,4999 8414,4999 8484,4999 8554,4999 8624,4999 9254,4999 9324,4999 49,5069 119,5069 189,5069 259,5069 329,5069 399,5069 469,5069 539,5069 1659,5069 1799,5069 1869,5069 1939,5069 2009,5069 2079,5069 2149,5069 2219,5069 2289,5069 2359,5069 2709,5069 2779,5069 2849,5069 2919,5069 2989,5069 3619,5069 7749,5069 7819,5069 8379,5069 8449,5069 8519,5069 8589,5069 8659,5069 9219,5069 9289,5069 224,5139 294,5139 364,5139 434,5139 504,5139 1554,5139 1624,5139 1694,5139 1764,5139 1834,5139 1904,5139 1974,5139 2044,5139 2114,5139 2184,5139 2254,5139 2604,5139 2674,5139 2744,5139 2814,5139 2884,5139 2954,5139 3024,5139 7714,5139 7784,5139 8414,5139 8484,5139 9254,5139 9324,5139 189,5209 259,5209 329,5209 399,5209 469,5209 679,5209 889,5209 2569,5209 2639,5209 2709,5209 2779,5209 2849,5209 2919,5209 2989,5209 7749,5209 84,5279 154,5279 224,5279 294,5279 364,5279 434,5279 504,5279 574,5279 644,5279 714,5279 784,5279 854,5279 2464,5279 2534,5279 2604,5279 2674,5279 2744,5279 2814,5279 8414,5279 7749,5349 8309,5349 8379,5349 8344,5419 8414,5419 8379,5489
IN_RCK: U22.12 U28.12 U44.17 | length 3032.2
  Top Layer w10: v1(5098.44,2038.44) 5524.56,2038.44 5532,2031 v1(5581,2031) ; U44.17@5474.53,2932.7 5474.53,2967.96 5529,3022.44 v1(6137.56,3022.44) ; v1@5580,2031 v1(5581,2031) ; v1(6231,2160) 6102,2031 v1(5581,2031)
  Bottom Layer w10: v1(5098.44,2038.44) U28.12@5098.44,2135 ; U22.12@5549.85,2142.09 5549.85,2061.15 v1@5580,2031 ; v1(6137.56,3022.44) 6231,2929 v1(6231,2160)
IN_SCK: U22.11 U28.11 U44.20 | length 3276.5
  Top Layer w10: U44.20@5415.47,2932.7 5415.47,2982.47 5470.5,3037.5 6124.34,3037.5 6141.67,3054.82 6157.82,3054.82 v1(6159,3056) ; v1(5575,2005) 6109,2005 v1(6266,2162)
  Bottom Layer w10: U28.11@5072.85,2135 5072.85,2189.85 5101,2218 5513.04,2218 5524.26,2206.78 U22.11@5524.26,2142.09 5524.26,2055.74 v1(5575,2005) ; v1(6159,3056) 6266,2949 6266,2257 ; v1(6266,2162) 6266,2257 ; 6266,2244 6266,2257
IN_SI: U28.14 U44.16 | length 2531.4
  Top Layer w10: v1(5149.62,2061) 5259,2061 ; v1@5152,2061 5259,2061 ; U44.16@5572.95,2834.28 5572.95,2855.95 5603,2886 5921,2886 v1(5993,2814) ; v1(6191,2163) 6089,2061 5259,2061
  Bottom Layer w10: v1(5149.62,2061) U28.14@5149.62,2135 ; v1(5993,2814) 6078,2814 6191,2701 v1(6191,2163)
IO0: U44.24 U45.2 | length 3365.7
  Top Layer w10: U44.24@5336.73,2932.7 5336.73,3021 5435.73,3120 5873,3120 v1@5991,3238 ; v1(6425,3459) 6617,3651 7245,3651 7628.54,4034.54 U45.2@7628.54,4539
  Bottom Layer w10: v1(5991,3240) 6026,3275 6347,3275 6425,3353 v1(6425,3459)
IOUT0: C112.2 D8.1 Q11.2 R72.2 | length 364.5
  Bottom Layer w20: C112.2@7473.54,4919 7472.91,4918.37 7472.91,4764.63 Q11.2@7472.28,4764 7472.28,4684.07 7509.64,4646.7 7560.83,4646.7 D8.1@7578.54,4629
LATCH_AO: U11.7 U26.14 | length 1872.4
  Top Layer w10: U26.14@5986.85,3686.87 5986.85,3760.85 6030,3804 6909,3804 7231.33,4126.33 U11.7@7231.33,4528.84
LATCH_AO_MCU: U26.3 U44.25 | length 920.4
  Top Layer w10: U44.25@5317.05,2932.7 5317.05,3030.05 5426,3139 5843.85,3139 5986.85,3282 U26.3@5986.85,3330.87
LCD_RX: R26.2 U44.53 | length 1070.4
  Top Layer w10: R26.2@4484.91,2123 4484.91,2089.93 4517.84,2057 4906.05,2057 5116.05,2267 5241,2267 5258,2284 U44.53@5258,2440.57
LCD_TX: R21.2 U44.54 | length 1221.6
  Top Layer w10: R21.2@4487.35,2187 4487.35,2175.96 4461.13,2149.73 4461.13,2071.87 4498,2035 4930.05,2035 5146.05,2251 5251.68,2251 5277.68,2277 U44.54@5277.68,2440.57